# Allegro board BeagleBone AI -64_PCB_V1.02_211119.brd

Outline 115.06 x 100.01 mm; copper layers: TOP, L2-GND, L3-SIGNAL, L4-GND, L5-SIGNAL, L6-GND, L7-PWR/GND, L8-PWR/GND, L9-PWR/GND, L10-SIGNAL, L11-GND, L12-SIGNAL, L13-GND, BOTTOM. Coordinates in mm from the lower left corner of the outline.
Outline path: 0,100.01 0,0 115.06,0 115.06,100.01 0,100.01

## Design rules (mm)
constraint set DEFAULT: min track width 0.165
net group B_HUB_USB1_DM_DN2: nets B_USB1_DN1_D_N B_USB1_DN1_D_P
net group B_USBA2_SS_RX: nets B_USB1_SSRX_DN1_N B_USB1_SSRX_DN1_P
net group B_USBA2_SS_TX: nets B_USB1_SSTX_DN1_N B_USB1_SSTX_DN1_P
net group C_DP0_AUX: nets C_DP0_AUX_N C_DP0_AUX_P
net group C_DP0_TX0: nets C_DP0_TX0_N C_DP0_TX0_P
net group C_DP0_TX1: nets C_DP0_TX1_N C_DP0_TX1_P
net group C_DP0_TX2: nets C_DP0_TX2_N C_DP0_TX2_P
net group C_DP0_TX3: nets C_DP0_TX3_N C_DP0_TX3_P
net group C_PCIE1_TX0_N: nets C_PCIE1_TX0_N PCIE1_TX0_N
net group C_PCIE1_TX0_P: nets C_PCIE1_TX0_P PCIE1_TX0_P
net group C_PCIE1_TX1_N: nets C_PCIE1_TX1_N PCIE1_TX1_N
net group C_PCIE1_TX1_P: nets C_PCIE1_TX1_P PCIE1_TX1_P
net group C_USB1_SSTX_DN1_N: nets C_USB1_SSTX_DN1_N USB1_SSTX_DN1_N
net group C_USB1_SSTX_DN1_P: nets C_USB1_SSTX_DN1_P USB1_SSTX_DN1_P
net group C_USB1_SSTX_DN2_N: nets C_USB1_SSTX_DN2_N USB1_SSTX_DN2_N
net group C_USB1_SSTX_DN2_P: nets C_USB1_SSTX_DN2_P USB1_SSTX_DN2_P
net group C_USB_SS_TX1_N: nets C_USB_SS_TX1_N C_USB_SS_TX1_P
net group C_USB_SS_TX2: nets C_USB_SS_TX2_N C_USB_SS_TX2_P
net group C_USBA1_SS_TX: nets C_USBA_SS_TX_N C_USBA_SS_TX_P
net group C_USBA_SSRX_UP_N: nets C_USBA_SSRX_UP_N USBA_SS_RX_N
net group C_USBA_SSRX_UP_P: nets C_USBA_SSRX_UP_P USBA_SS_RX_P
net group CSI0_RX2: nets CSI0_RX2_N CSI0_RX2_P
net group CSI0_RX3: nets CSI0_RX3_N CSI0_RX3_P
net group DP0_AUX: nets DP0_AUX_N DP0_AUX_P
net group DP0_TX0: nets DP0_TX0_N DP0_TX0_P
net group DP0_TX1: nets DP0_TX1_N DP0_TX1_P
net group DP0_TX2: nets DP0_TX2_N DP0_TX2_P
net group DP0_TX3: nets DP0_TX3_N DP0_TX3_P
net group DP_CON_DP0_AUX: nets CON_DP0_AUX_N CON_DP0_AUX_P
net group DP_CON_DP0_TX0: nets CON_DP0_TX0_N CON_DP0_TX0_P
net group DP_CON_DP0_TX1: nets CON_DP0_TX1_N CON_DP0_TX1_P
net group DP_CON_DP0_TX2: nets CON_DP0_TX2_N CON_DP0_TX2_P
net group DP_CON_DP0_TX3: nets CON_DP0_TX3_N CON_DP0_TX3_P
net group EMMC_CLK: nets EMMC_CLK MMC0_CLK
net group EMMC_CMD: nets EMMC_CMD MMC0_CMD
net group EMMC_DAT0: nets EMMC_DAT0 MMC0_DAT0
net group EMMC_DAT1: nets EMMC_DAT1 MMC0_DAT1
net group EMMC_DAT2: nets EMMC_DAT2 MMC0_DAT2
net group EMMC_DAT3: nets EMMC_DAT3 MMC0_DAT3
net group EMMC_DAT4: nets EMMC_DAT4 MMC0_DAT4
net group EMMC_DAT5: nets EMMC_DAT5 MMC0_DAT5
net group EMMC_DAT6: nets EMMC_DAT6 MMC0_DAT6
net group EMMC_DAT7: nets EMMC_DAT7 MMC0_DAT7
net group EXP_HUB_USB1_DM_DN4: nets EXP_USB1_DN4_D_N EXP_USB1_DN4_D_P
net group M2_HUB_USB1_DP_DN3: nets M2_USB1_DN3_D_N M2_USB1_DN3_D_P
net group MCU_RGMII_RD0: nets MCU_RGMII_RD0 RX_D0
net group MCU_RGMII_RD1: nets MCU_RGMII_RD1 RX_D1
net group MCU_RGMII_RD2: nets MCU_RGMII_RD2 RX_D2
net group MCU_RGMII_RD3: nets MCU_RGMII_RD3 RX_D3
net group MCU_RGMII_RX_CTL: nets MCU_RGMII_RX_CTL RX_CTRL
net group MCU_RGMII_RXC: nets MCU_RGMII_RXC RX_CLK
net group MMC1_CLK: nets MMC1_CLK SD_CLK
net group MMC1_DAT0: nets MMC1_DAT0 SD_DAT0
net group MMC1_DAT1: nets MMC1_DAT1 SD_DAT1
net group MMC1_DAT2: nets MMC1_DAT2 SD_DAT2
net group MMC1_DAT3: nets MMC1_DAT3 SD_DAT3
net group MMC2_CLK: nets MMC2_CLK MMC2_CLK_R
net group PCIE1_REFCLK: nets PCIE1_REFCLK_N PCIE1_REFCLK_P
net group PCIE1_RX0: nets PCIE1_RX0_N PCIE1_RX0_P
net group PCIE1_RX1: nets PCIE1_RX1_N PCIE1_RX1_P
net group PHY_CLK_OUT_TP: nets PHY_CLK_OUT PHY_CLK_OUT_TP
net group PHY_GPIO0_TP: nets PHY_GPIO0 PHY_GPIO0_TP
net group PHY_GPIO1_TP: nets PHY_GPIO1 PHY_GPIO1_TP
net group PHY_LED0_TP: nets PHY_LED0 PHY_LED0_TP
net group PHY_LED1_TP: nets PHY_LED1 PHY_LED1_TP
net group PHY_LED2_TP: nets PHY_LED2 PHY_LED2_TP
net group PHY_TD_A: nets PHY_TD_A_M PHY_TD_A_P
net group PHY_TD_B: nets PHY_TD_B_M PHY_TD_B_P
net group PHY_TD_C: nets PHY_TD_C_M PHY_TD_C_P
net group PHY_TD_D: nets PHY_TD_D_M PHY_TD_D_P
net group SOC_SERDES1_REFCLK: nets SOC_SERDES1_REFCLK_N SOC_SERDES1_REFCLK_P
net group T_HUB_USB1_DM_DN1: nets T_USB1_DN2_D_N T_USB1_DN2_D_P
net group T_USBA1_SS_RX: nets T_USB1_SSRX_DN2_N T_USB1_SSRX_DN2_P
net group T_USBA1_SS_TX: nets T_USB1_SSTX_DN2_N T_USB1_SSTX_DN2_P
net group TX_CLK: nets MCU_RGMII_TXC TX_CLK
net group TX_CTRL: nets MCU_RGMII_TX_CTL TX_CTRL
net group TX_D0: nets MCU_RGMII_TD0 TX_D0
net group TX_D1: nets MCU_RGMII_TD1 TX_D1
net group TX_D2: nets MCU_RGMII_TD2 TX_D2
net group TX_D3: nets MCU_RGMII_TD3 TX_D3
net group USB0_DATA: nets USB0_DATA_N USB0_DATA_P
net group USB1_DN1_D_P: nets USB1_DN1_D_N USB1_DN1_D_P
net group USB1_DN2_D_N: nets USB1_DN2_D_N USB1_DN2_D_P
net group USB1_DN3_D_N: nets USB1_DN3_D_N USB1_DN3_D_P
net group USB1_DN4_D_N: nets USB1_DN4_D_N USB1_DN4_D_P
net group USB1_HUB_D: nets USB1_HUB_D_N USB1_HUB_D_P
net group USB1_SSRX_DN1_P: nets USB1_SSRX_DN1_N USB1_SSRX_DN1_P
net group USB1_SSRX_DN2_P: nets USB1_SSRX_DN2_N USB1_SSRX_DN2_P
net group USBA_SS_TX_P: nets USBA_SS_TX_N USBA_SS_TX_P
net group USBC_DATA_CONN_P: nets USBC_DATA_CONN_N USBC_DATA_CONN_P
net group USBC_SS_RX1_CONN_N: nets USBC_SS_RX1_CONN_N USBC_SS_RX1_CONN_P
net group USBC_SS_RX1_N: nets USBC_SS_RX1_N USBC_SS_RX1_P
net group USBC_SS_RX2: nets USBC_SS_RX2_N USBC_SS_RX2_P
net group USBC_SS_RX2_CONN_N: nets USBC_SS_RX2_CONN_N USBC_SS_RX2_CONN_P
net group USBC_SS_TX1_CONN_P: nets USBC_SS_TX1_CONN_N USBC_SS_TX1_CONN_P
net group USBC_SS_TX1_N: nets USBC_SS_TX1_N USBC_SS_TX1_P
net group USBC_SS_TX2: nets USBC_SS_TX2_N USBC_SS_TX2_P
net group USBC_SS_TX2_CONN_P: nets USBC_SS_TX2_CONN_N USBC_SS_TX2_CONN_P
net group CSI0_RX(SOC-MUX): nets CSI0_RX0_N CSI0_RX0_P CSI0_RX1_N CSI0_RX1_P CSI0_RXCLK_N CSI0_RXCLK_P
net group CSI1_RX: nets CSI1_RX0_N CSI1_RX0_P CSI1_RX1_N CSI1_RX1_P CSI1_RX2_N CSI1_RX2_P CSI1_RX3_N CSI1_RX3_P CSI1_RXCLK_N CSI1_RXCLK_P
net group DDR_ADD: nets LPDDR4_CA2 LPDDR4_CA3 LPDDR4_CA4 LPDDR4_CA5 LPDDR4_CK_T LPDDR4_CKE1 LPDDR4_CSN0_0 LPDDR4_CSN0_1 LPDDR4_CSN1_0 LPDDR4_CSN1_1
net group DDR_DATA0: nets LPDDR4_DM0_DBI0# LPDDR4_DQ0 LPDDR4_DQ1 LPDDR4_DQ2 LPDDR4_DQ3 LPDDR4_DQ4 LPDDR4_DQ5 LPDDR4_DQ6 LPDDR4_DQ7 LPDDR4_DQS0_N LPDDR4_DQS0_P
net group DDR_DATA1: nets LPDDR4_DM1_DBI1# LPDDR4_DQ8 LPDDR4_DQ9 LPDDR4_DQ10 LPDDR4_DQ11 LPDDR4_DQ12 LPDDR4_DQ13 LPDDR4_DQ14 LPDDR4_DQ15 LPDDR4_DQS1_N LPDDR4_DQS1_P
net group DDR_DATA2: nets LPDDR4_DM2_DBI2# LPDDR4_DQ16 LPDDR4_DQ17 LPDDR4_DQ18 LPDDR4_DQ19 LPDDR4_DQ20 LPDDR4_DQ21 LPDDR4_DQ22 LPDDR4_DQ23 LPDDR4_DQS2_N LPDDR4_DQS2_P
net group DDR_DATA3: nets LPDDR4_DM3_DBI3# LPDDR4_DQ24 LPDDR4_DQ25 LPDDR4_DQ26 LPDDR4_DQ27 LPDDR4_DQ28 LPDDR4_DQ29 LPDDR4_DQ30 LPDDR4_DQ31 LPDDR4_DQS3_N LPDDR4_DQS3_P
net group DSI_TX: nets DSI_TX0_N DSI_TX0_P DSI_TX1_N DSI_TX1_P DSI_TX2_N DSI_TX2_P DSI_TX3_N DSI_TX3_P DSI_TXCLK_N DSI_TXCLK_P
net group MG1_LCD: nets Y25_SYS_BOOTMODE3

## Placement (name value [footprint] x y rotation side)
C1  47uF  [C1206]  51.31 55.44 90 bottom
C2  10uF  [C0805]  49 54.75 90 bottom
C3  47uF  [C1206]  48.93 27.16 90 bottom
C4  100nF  [C0201]  -14.4 24.64 90 top
C5  10uF  [C0805]  46.79 26.76 90 bottom
C6  1nF  [C1206]  46.2 -0.09 90 bottom
C7  100nF  [C0201]  46.01 56.15 180 bottom
C8  100uF  [C1210]  45.11 13.56 0 bottom
C9  47uF  [C1206]  44.73 45.33 180 bottom
C10  47uF  [C1206]  44.51 62.36 180 bottom
C11  100nF  [C0402]  44.28 10.61 90 bottom
C12  10uF  [C0805]  44.1 47.5 180 bottom
C13  10uF  [C0805]  43.83 60.15 180 bottom
C14  47uF  [C1206]  43.56 34.23 180 bottom
C15  2.2uF  [C0603]  43.21 56.99 270 bottom
C16  47uF  [C1206]  42.85 17.26 180 bottom
C17  10uF  [C0805]  42.08 19.51 180 bottom
C18  10uF  [C0805]  41.68 32.11 180 bottom
C19  1uF  [C0402]  41.48 14.38 90 bottom
C20  2.2uF  [C0603]  41.11 28.86 270 bottom
C21  10uF  [C0805]  46.06 5.13 270 bottom
C22  10uF  [C0805]  40.26 47.46 0 bottom
C23  10uF  [C0805]  40.19 60.15 0 bottom
C24  47uF  [C1206]  39.66 45.32 0 bottom
C25  2.2uF  [C0603]  39.43 56.51 0 bottom
C26  2.2uF  [C0603]  39.43 54.34 0 bottom
C27  2.2uF  [C0603]  39.43 52.88 0 bottom
C28  2.2uF  [C0603]  39.43 51.45 0 bottom
C29  2.2uF  [C0603]  39.43 49.96 0 bottom
C30  47uF  [C1206]  39.4 62.3 0 bottom
C31  100nF  [C0201]  39.35 55.43 0 bottom
C32  47uF  [C1206]  38.34 34.3 0 bottom
C33  10uF  [C0805]  38.16 19.53 0 bottom
C34  10uF  [C0805]  38.12 32.11 0 bottom
C35  47uF  [C1206]  37.79 17.3 0 bottom
C36  100nF  [C0402]  37.62 10.69 90 bottom
C37  22uF  [C0805]  36.97 39.99 90 bottom
C38  100nF  [C0201]  36.91 24.52 0 bottom
C39  2.2uF  [C0603]  36.89 28.66 0 bottom
C40  2.2uF  [C0603]  36.89 27.18 0 bottom
C41  2.2uF  [C0603]  36.89 25.66 0 bottom
C42  2.2uF  [C0603]  36.89 23.32 0 bottom
C43  2.2uF  [C0603]  36.89 21.82 0 bottom
C44  100uF  [C1210]  35.57 13.51 180 bottom
C45  22uF  [C0805]  33.33 40.95 270 bottom
C46  47uF  [C1206]  31.6 17.5 90 bottom
C47  22uF  [C0805]  31.25 40.95 270 bottom
C48  100nF  [C0201]  30.19 61.45 90 bottom
C49  10nF  [C0201]  29.6 42.6 270 bottom
C50  10nF  [C0201]  29.55 44.48 270 bottom
C51  100nF  [C0201]  29.41 61.46 270 bottom
C52  10uF  [C0805]  29.31 50.74 90 bottom
C53  10uF  [C0805]  29.3 47.04 270 bottom
C54  100nF  [C0201]  29.07 40.98 90 bottom
C55  10nF  [C0201]  29.02 38.23 270 bottom
C56  10nF  [C0201]  28.66 44.48 270 bottom
C57  10nF  [C0201]  27.71 49.37 90 bottom
C58  10nF  [C0201]  27.65 46.77 270 bottom
C59  10nF  [C0201]  27.65 41.05 90 bottom
C60  10nF  [C0201]  27.65 38.51 270 bottom
C61  10nF  [C0201]  27.39 35.72 180 bottom
C62  47uF  [C1206]  26.44 56.46 90 bottom
C63  100nF  [C0201]  26.16 63.66 0 bottom
C64  100nF  [C0201]  26.12 53.5 180 bottom
C65  10nF  [C0201]  26.12 51.98 180 bottom
C66  1uF  [C0402]  26.08 64.51 0 bottom
C67  100nF  [C0201]  25.63 60.1 270 bottom
C68  2.2uF  [C0603]  25.37 62.44 0 bottom
C69  10nF  [C0201]  24.85 36.61 0 bottom
C70  10nF  [C0201]  24.72 34.45 180 bottom
C71  47uF  [C1206]  24.21 56.45 90 bottom
C72  100nF  [C0201]  24.01 61.27 180 bottom
C73  10nF  [C0201]  23.58 51.98 180 bottom
C74  47uF  [C1206]  23.43 31.25 0 bottom
C75  47uF  [C1206]  23.43 28.9 0 bottom
C76  100nF  [C0201]  23.09 59.77 90 bottom
C77  10nF  [C0201]  22.95 53.5 180 bottom
C78  100nF  [C0201]  22.33 59.77 90 bottom
C79  10nF  [C0201]  22.31 34.45 180 bottom
C80  47uF  [C1206]  21.98 56.46 90 bottom
C81  100nF  [C0201]  21.6 62.54 90 bottom
C82  10nF  [C0201]  20.79 51.98 0 bottom
C83  100nF  [C0201]  20.58 61.23 0 bottom
C84  100nF  [C0201]  20.32 62.58 90 bottom
C85  10nF  [C0201]  20.15 34.45 180 bottom
C86  10uF  [EMIFIL_0805_3P]  19.87 30.23 270 bottom
C87  22uF  [C0805]  19.86 59.14 90 bottom
C88  0.015uF  [C0402]  19.83 8.57 180 bottom
C89  10nF  [C0201]  19.77 53.5 180 bottom
C90  10nF  [C0201]  19.64 35.85 180 bottom
C91  330pF  [C0402]  19.33 9.97 270 bottom
C92  100nF  [C0402]  19.32 17.57 0 bottom
C93  2.2uF  [C0603]  18.65 62.35 90 bottom
C94  1uF  [C0402]  18.35 59.08 90 bottom
C95  10uF  [EMIFIL_0805_3P]  17.96 30.23 270 bottom
C96  120nF  [C0603]  17.93 9.84 270 bottom
C97  10nF  [C0201]  17.87 34.45 180 bottom
C98  10nF  [C0201]  17.61 53.5 180 bottom
C99  10nF  [C0201]  16.47 47.15 270 bottom
C100  10nF  [C0201]  16.47 39.4 270 bottom
C101  220nF  [C0201]  16.45 10.17 270 bottom
C102  470nF  [C0402]  16.44 30.58 270 bottom
C103  10nF  [C0201]  16.34 42.2 270 bottom
C104  470nF  [C0402]  15.44 30.61 270 bottom
C105  47uF  [C1206]  15.09 60.62 0 bottom
C106  100nF  [C0201]  15.05 12.61 90 bottom
C107  470nF  [C0402]  13.93 30.58 270 bottom
C108  1uF  [EMIFIL_0402_3P]  12.61 30.55 270 bottom
C109  22uF  [C0805]  8.82 29.3 0 bottom
C110  1uF  [EMIFIL_0402_3P]  8.4 56.32 270 bottom
C111  100nF  [C0201]  -6.02 35.33 180 bottom
C112  1uF  [C0402]  8.24 30.87 0 bottom
C113  4.7uF  [C0603]  7.64 62.91 0 bottom
C114  1uF  [C0402]  7.51 61.64 0 bottom
C115  100nF  [C0201]  6.01 38.46 90 bottom
C116  100nF  [C0201]  5.93 48.61 270 bottom
C117  1uF  [EMIFIL_0402_3P]  5.89 32.63 270 bottom
C118  100nF  [C0201]  4.22 65.54 90 bottom
C119  220nF  [C0201]  3.74 34.31 270 bottom
C120  22uF  [C0805]  3.05 30.3 180 bottom
C121  220nF  [C0201]  2.98 34.31 270 bottom
C122  100nF  [C0201]  2.78 65.36 90 bottom
C123  100nF  [C0201]  2.65 32.87 0 bottom
C124  1uF  [C0402]  2.32 31.88 180 bottom
C125  220nF  [C0201]  2.17 35.59 270 bottom
C126  220nF  [C0201]  1.41 35.59 270 bottom
C127  100nF  [C0201]  0.98 43.98 180 bottom
C128  100nF  [C0201]  0.98 43.21 0 bottom
C129  220nF  [C0201]  0.9 34.23 270 bottom
C130  100nF  [C0201]  0.85 48.8 180 bottom
C131  100nF  [C0201]  0.85 46.39 0 bottom
C132  220nF  [C0201]  0.49 61.98 90 bottom
C133  100nF  [C0201]  0.47 49.82 90 bottom
C134  100nF  [C0201]  0.47 47.53 270 bottom
C135  220nF  [C0201]  0.14 34.23 270 bottom
C136  1uF  [C0402]  0.11 51.57 135 bottom
C137  100nF  [C0201]  0.09 55.15 180 bottom
C138  100nF  [C0201]  0.09 54.39 0 bottom
C139  100nF  [C0201]  0.09 45.63 0 bottom
C140  100nF  [C0201]  0.09 44.74 180 bottom
C141  100nF  [C0201]  0.09 42.32 0 bottom
C142  150uF  [AVX_C]  -0.16 11.64 90 bottom
C143  220nF  [C0201]  -0.27 61.98 90 bottom
C144  100nF  [C0201]  -0.28 53.16 90 bottom
C145  100nF  [C0201]  -0.29 48.42 270 bottom
C146  100nF  [C0201]  -0.29 46.77 270 bottom
C147  100nF  [C0201]  -0.29 43.59 270 bottom
C148  22uF  [C0805]  -0.42 31.81 0 bottom
C149  4.7uF  [C0603]  -0.58 64.52 90 bottom
C150  100nF  [C0201]  -0.68 49.56 0 bottom
C151  220nF  [C0201]  -0.88 35.59 270 bottom
C152  100nF  [C0201]  -1.02 48.38 90 bottom
C153  1uF  [C0402]  -1.03 33.26 0 bottom
C154  100nF  [C0201]  -1.06 53.93 90 bottom
C155  100nF  [C0201]  -1.06 52.36 90 bottom
C156  100nF  [C0201]  -1.37 47.38 135 bottom
C157  100nF  [C0201]  0.99 7.27 0 bottom
C158  100nF  [C0201]  -1.44 45.63 0 bottom
C159  100nF  [C0201]  -1.44 43.98 0 bottom
C160  100nF  [C0201]  -1.44 43.19 180 bottom
C161  100nF  [C0201]  -1.46 55.98 180 bottom
C162  100nF  [C0201]  -1.49 51.16 0 bottom
C163  100nF  [C0201]  -1.56 44.74 180 bottom
C164  220nF  [C0201]  -1.57 35.59 270 bottom
C165  100nF  [C0201]  -1.82 53.12 90 bottom
C166  100nF  [C0201]  -1.84 48.37 270 bottom
C167  100nF  [C0201]  -2.33 51.98 0 bottom
C168  100nF  [C0201]  -2.33 49.11 45 bottom
C169  1uF  [EMIFIL_0402_3P]  -2.38 50.2 225 bottom
C170  100nF  [C0201]  -2.43 54.64 225 bottom
C171  100nF  [C0201]  -2.62 45.9 90 bottom
C172  100nF  [C0201]  -2.68 53.22 270 bottom
C173  100nF  [C0201]  -2.69 43.6 90 bottom
C174  220nF  [C0201]  -2.76 36.14 270 bottom
C175  100nF  [C0201]  -2.94 50.88 225 bottom
C176  100nF  [C0201]  -3.04 47.18 180 bottom
C177  220nF  [C0201]  -3.06 61.8 90 bottom
C178  100nF  [C0201]  -3.09 44.74 180 bottom
C179  100nF  [C0201]  -3.1 42.36 0 bottom
C180  100nF  [C0201]  -3.48 48.41 270 bottom
C181  100nF  [C0201]  -3.48 43.58 270 bottom
C182  100nF  [C0201]  -3.49 45.87 90 bottom
C183  100nF  [C0201]  -3.49 54.01 270 bottom
C184  100nF  [C0201]  -3.52 49.89 90 bottom
C185  220nF  [C0201]  -3.52 36.14 270 bottom
C186  4.7uF  [C0603]  -3.71 32.96 0 bottom
C187  100nF  [C0201]  -3.79 52.78 180 bottom
C188  220nF  [C0201]  -3.83 61.8 90 bottom
C189  100nF  [C0201]  -3.84 51.97 0 bottom
C190  100nF  [C0201]  -3.85 55.96 180 bottom
C191  1uF  [C0402]  -4.21 34.3 0 bottom
C192  100nF  [C0201]  -4.28 46.77 270 bottom
C193  100nF  [C0201]  -4.29 54.79 270 bottom
C194  100nF  [C0201]  -4.32 43.57 90 bottom
C195  1uF  [EMIFIL_0402_3P]  -4.43 50.22 270 bottom
C196  100nF  [C0201]  -4.61 48.8 0 bottom
C197  100nF  [C0201]  -4.61 48.04 180 bottom
C198  100nF  [C0201]  -4.61 44.74 180 bottom
C199  100nF  [C0201]  -4.69 45.58 0 bottom
C200  1uF  [C0402]  -4.92 66.32 0 bottom
C201  100nF  [C0201]  -5.08 41.94 270 bottom
C202  100nF  [C0201]  -5.08 52.79 0 bottom
C203  100nF  [C0201]  -5.09 46.77 270 bottom
C204  100nF  [C0201]  -5.53 49.97 90 bottom
C205  100nF  [C0201]  -5.83 56.33 90 bottom
C206  100nF  [C0201]  -5.85 54.81 270 bottom
C207  1uF  [EMIFIL_0402_3P]  -6.39 51.45 135 bottom
C208  100nF  [C0201]  -6.47 52.61 315 bottom
C209  100nF  [C0201]  -6.49 46.06 270 bottom
C210  100nF  [C0201]  -6.59 43.57 90 bottom
C211  4.7uF  [C0603]  -6.65 32.95 0 bottom
C212  100nF  [C0201]  -6.68 54.01 270 bottom
C213  1uF  [C0402]  -6.82 34.35 0 bottom
C214  100nF  [C0201]  -7.03 49.56 180 bottom
C215  100nF  [C0201]  -7.13 42.33 0 bottom
C216  100nF  [C0201]  -7.15 48.8 0 bottom
C217  100nF  [C0201]  -7.15 47.91 180 bottom
C218  100nF  [C0201]  -7.15 47.15 0 bottom
C219  1uF  [EMIFIL_0402_3P]  -7.23 45.04 135 bottom
C220  100nF  [C0201]  -7.49 52.38 90 bottom
C221  100nF  [C0201]  -7.53 54.77 270 bottom
C222  100nF  [C0201]  -7.85 42.94 0 bottom
C223  100nF  [C0201]  -7.89 46.39 0 bottom
C224  100nF  [C0201]  -7.91 55.91 0 bottom
C225  100nF  [C0201]  -7.91 51.16 180 bottom
C226  4.7uF  [C0603]  -8.27 65.36 90 bottom
C227  1uF  [C0402]  -8.61 43.85 0 bottom
C228  100nF  [C0201]  -8.68 55.15 0 bottom
C229  100nF  [C0201]  -8.68 54.39 180 bottom
C230  1uF  [C0402]  -8.68 53.51 0 bottom
C231  100nF  [C0201]  -8.68 49.56 180 bottom
C232  100nF  [C0201]  -8.68 48.8 0 bottom
C233  100nF  [C0201]  -8.68 47.91 180 bottom
C234  100nF  [C0201]  -8.68 47.15 0 bottom
C235  100nF  [C0201]  -8.68 45.5 0 bottom
C236  100nF  [C0201]  -8.68 44.74 180 bottom
C237  100nF  [C0201]  -8.7 42.2 0 bottom
C238  4.7uF  [C0603]  1.23 64.56 90 bottom
C239  100nF  [C0201]  -8.8 52.31 270 bottom
C240  1uF  [C0402]  -9.42 62.54 180 bottom
C241  100nF  [C0201]  -9.45 42.92 0 bottom
C242  100nF  [C0201]  -9.46 51.19 180 bottom
C243  1uF  [C0402]  -9.49 65.97 90 bottom
C244  100nF  [C0201]  -9.57 46.39 0 bottom
C245  100nF  [C0201]  -9.82 55.53 270 bottom
C246  100nF  [C0201]  -9.82 54.01 270 bottom
C247  100nF  [C0201]  -11.88 17.88 270 top
C248  1uF  [C0402]  -10.29 43.58 225 bottom
C249  100nF  [C0201]  -10.33 44.92 180 bottom
C250  1uF  [EMIFIL_0402_3P]  -19.06 30.83 270 bottom
C251  100nF  [C0201]  -10.33 45.63 0 bottom
C252  100nF  [C0201]  -10.33 52.78 180 bottom
C253  100nF  [C0201]  -10.48 51.37 45 bottom
C254  4.7uF  [C0603]  -10.79 65.13 90 bottom
C255  100nF  [C0201]  -10.96 46.39 0 bottom
C256  1uF  [C0402]  -11.09 55.15 0 bottom
C257  100nF  [C0201]  -11.11 44.23 180 bottom
C258  100nF  [C0201]  -11.14 48.45 315 bottom
C259  100nF  [C0201]  -11.27 42.93 315 bottom
C260  100nF  [C0201]  -11.47 45.17 90 bottom
C261  100nF  [C0201]  -11.51 62.78 90 bottom
C262  1uF  [C0402]  -11.55 53.17 90 bottom
C263  1uF  [C0402]  -11.88 49.17 45 bottom
C264  100nF  [C0201]  -11.88 46.9 0 bottom
C265  100nF  [C0201]  -11.9 43.57 45 bottom
C266  1uF  [C0402]  -11.9 51.57 315 bottom
C267  100nF  [C0201]  -12 46.13 315 bottom
C268  100nF  [C0201]  -12.13 47.79 315 bottom
C269  100nF  [C0201]  -12.27 62.78 90 bottom
C270  100nF  [C0201]  -12.28 44.36 90 bottom
C271  1uF  [C0402]  -12.36 54.77 90 bottom
C272  100nF  [C0201]  -12.74 45.63 180 bottom
C273  100nF  [C0201]  -12.86 50.38 270 bottom
C274  100nF  [C0201]  -13.04 62.78 90 bottom
C275  1uF  [C0402]  -13.1 44.36 270 bottom
C276  22uF  [C0805]  -13.26 65.63 180 bottom
C277  100nF  [C0201]  -13.41 46.37 180 bottom
C278  10uF  [C0805]  -17.04 65.79 180 bottom
C279  100nF  [C0201]  -22.65 48.7 180 bottom
C280  1uF  [EMIFIL_0402_3P]  -22.75 49.97 180 bottom
C281  1uF  [C0402]  -24.12 39.23 180 bottom
C282  1uF  [C0402]  -24.26 41.65 180 bottom
C283  4.7uF  [C0603]  -24.33 37.96 180 bottom
C284  4.7uF  [C0603]  -24.34 40.45 180 bottom
C285  4.7uF  [C0603]  -24.38 36.5 180 bottom
C286  100nF  [C0201]  -24.83 43.24 90 bottom
C287  1uF  [C0402]  -27.55 29.14 90 bottom
C288  100nF  [C0201]  -27.81 32.18 180 bottom
C289  100nF  [C0201]  -27.81 31.42 180 bottom
C290  1uF  [C0402]  -27.97 33.15 180 bottom
C291  1uF  [C0402]  -28.07 30.55 180 bottom
C292  100nF  [C0201]  -28.44 29.01 90 bottom
C293  1uF  [C0402]  -29.33 34.72 270 bottom
C294  1uF  [C0402]  -29.84 29.14 90 bottom
C295  100nF  [C0201]  -30.22 34.98 270 bottom
C296  100nF  [C0201]  -30.43 55.47 270 bottom
C297  100nF  [C0201]  -30.73 29.01 90 bottom
C298  100nF  [C0201]  -30.98 34.98 270 bottom
C299  1uF  [C0402]  -31.87 34.72 270 bottom
C300  22uF  [C0805]  -33.17 49.81 180 bottom
C301  22uF  [C0805]  -33.17 55.85 180 bottom
C302  100nF  [C0201]  -33.68 60.59 90 bottom
C303  1uF  [C0402]  -33.92 32.85 0 bottom
C304  1uF  [C0402]  -33.92 29.91 0 bottom
C305  1uF  [C0402]  -33.94 34.59 0 bottom
C306  100nF  [C0201]  -34.12 31.98 0 bottom
C307  100nF  [C0201]  -34.14 33.72 0 bottom
C308  100nF  [C0201]  -34.17 30.74 0 bottom
C309  100nF  [C0201]  -36.3 45.45 180 bottom
C310  100nF  [C0201]  -37.59 50.06 180 bottom
C311  10nF  [C0201]  -38.35 32.74 180 bottom
C312  10uF  [C0805]  -38.63 31.32 180 bottom
C313  100nF  [C0201]  -40.84 49.58 90 bottom
C314  1uF  [C0402]  -19.93 14.96 270 bottom
C315  10uF  [C0805]  -23.22 18.98 270 top
C316  100nF  [C0201]  -36.55 38.39 270 top
C317  100nF  [C0201]  -35.17 47.17 270 top
C318  100nF  [C0201]  -34.85 45.32 0 top
C319  100nF  [C0201]  -34.48 41.28 180 top
C320  100nF  [C0201]  -33.56 45.32 180 top
C321  27pF  [C0402]  -31.87 26.45 0 top
C322  27pF  [C0402]  -31.09 21.77 0 top
C323  100nF  [C0201]  -3.03 30.18 90 top
C324  100nF  [C0201]  -0.54 16.54 270 top
C325  12pF  [C0402]  -27.12 44.48 180 top
C326  10uF  [C0805]  -27.07 24.26 180 top
C327  10nF  [C0201]  -26.94 25.66 180 top
C328  10pF  [C0402]  -26.59 49.33 180 top
C329  4.7uF  [C0603]  -24.34 40.45 180 top
C330  4.7uF  [C0603]  -24.33 37.96 180 top
C331  1uF  [C0402]  -24.22 41.67 180 top
C332  1uF  [C0402]  -24.12 39.23 180 top
C333  1uF  [C0402]  -24.12 36.71 180 top
C334  10pF  [C0402]  -23.88 51.69 90 top
C335  12pF  [C0402]  -23.83 47.58 90 top
C336  10uF  [C0805]  -21.86 24.26 180 top
C337  10nF  [C0201]  -21.6 25.67 180 top
C338  1uF  [EMIFIL_0402_3P]  -21.03 50.73 0 top
C339  10uF  [C0805]  9.09 23 0 top
C340  1uF  [EMIFIL_0402_3P]  -19.06 30.85 90 top
C341  10uF  [EMIFIL_0805_3P]  -19.06 28.56 90 top
C342  100nF  [C0201]  -20.8 14.94 270 bottom
C343  470nF  [C0402]  -18.89 32.85 270 top
C344  470nF  [C0402]  -17.94 32.85 270 top
C345  1uF  [EMIFIL_0402_3P]  -16.99 30.85 90 top
C346  470nF  [C0402]  -16.98 32.85 270 top
C347  1uF  [EMIFIL_0402_3P]  -16.94 28.48 90 top
C348  100nF  [C0201]  -15.09 68.69 0 top
C349  22uF  [C0805]  -13.82 32.87 0 top
C350  27pF  [C0402]  -13.7 18.52 90 top
C351  27pF  [C0402]  -13.66 20.63 270 top
C352  1uF  [C0402]  -13.06 65.31 180 top
C353  100nF  [C0201]  -13.04 62.78 90 top
C354  1uF  [C0402]  -12.94 34.39 0 top
C355  100nF  [C0201]  -12.74 24.9 180 top
C356  100nF  [C0201]  -13.69 24.64 90 top
C357  100nF  [C0201]  -12.74 21.82 180 top
C358  100nF  [C0201]  -12.57 17.89 270 top
C359  100nF  [C0201]  -12.27 62.78 90 top
C360  4.7uF  [C0603]  -11.53 66.52 180 top
C361  100nF  [C0201]  -11.51 62.78 90 top
C362  1uF  [C0402]  -11.17 65.31 180 top
C363  1uF  [C0402]  -10.84 34.39 180 top
C364  4.7uF  [C0603]  -10.57 32.7 180 top
C365  4.7uF  [C0603]  -9.65 62.61 180 top
C366  1uF  [C0402]  -9.49 65.97 90 top
C367  1uF  [EMIFIL_0402_3P]  -9.27 34.27 90 top
C368  220nF  [C0201]  -7.19 63.51 90 top
C369  22uF  [C0805]  -7.19 66.4 180 top
C370  1uF  [C0402]  -6.82 34.35 0 top
C371  100nF  [C0201]  -6.97 16.52 270 top
C372  4.7uF  [C0603]  -6.65 32.95 0 top
C373  220nF  [C0201]  -6.46 63.51 90 top
C374  1uF  [EMIFIL_0402_3P]  -6.26 31.29 90 top
C375  220nF  [C0201]  -5.69 63.51 90 top
C376  470nF  [C0402]  -5.28 31.26 270 top
C377  220nF  [C0201]  -4.92 63.51 90 top
C378  1uF  [C0402]  -4.21 34.3 0 top
C379  4.7uF  [C0603]  -3.71 32.96 0 top
C380  100nF  [C0201]  -5.79 16.52 270 top
C381  100nF  [C0201]  -2.37 30.18 90 top
C382  4.7uF  [C0603]  -2.2 64.48 180 top
C383  1uF  [C0402]  -1.9 63.2 180 top
C384  100nF  [C0201]  1 7.27 0 top
C385  100nF  [C0201]  -1.25 16.54 270 top
C386  1uF  [C0402]  -1.03 33.26 0 top
C387  22uF  [C0805]  -0.42 31.81 0 top
C388  150uF  [AVX_C]  -0.15 11.63 90 top
C389  4.7uF  [C0603]  0.83 64.43 180 top
C390  1uF  [C0402]  1.06 63.16 180 top
C391  470nF  [C0402]  1.82 29.99 0 top
C392  1uF  [EMIFIL_0402_3P]  1.85 33.28 0 top
C393  1uF  [EMIFIL_0402_3P]  1.91 28.91 180 top
C394  100nF  [C0201]  0.71 21.55 90 top
C395  470nF  [C0402]  2.78 63.76 90 top
C396  100nF  [C0201]  2.79 65.36 90 top
C397  100nF  [C0201]  0.87 26.29 0 top
C398  100nF  [C0201]  0.9 24.97 0 top
C399  1uF  [C0402]  2.99 27.03 270 top
C400  1uF  [C0402]  3.55 32.93 180 top
C401  4.7uF  [C0603]  3.62 31.28 180 top
C402  100nF  [C0201]  -2.97 16.54 270 top
C403  470nF  [C0402]  4.23 63.76 90 top
C404  470nF  [C0402]  4.24 65.58 90 top
C405  10uF  [C0805]  4.32 13.01 180 top
C406  100nF  [C0402]  -37.91 14.63 0 top
C407  10uF  [C0805]  3.39 21.29 90 top
C408  100nF  [C0201]  4.96 11.61 180 top
C409  100nF  [C0201]  5.07 26.02 180 top
C410  1uF  [EMIFIL_0402_3P]  5.57 65.8 270 top
C411  470nF  [C0402]  5.73 63.79 90 top
C412  1uF  [EMIFIL_0402_3P]  5.89 32.63 90 top
C413  1uF  [EMIFIL_0402_3P]  7.17 32.66 90 top
C414  100nF  [C0201]  5.1 21.32 180 top
C415  1uF  [EMIFIL_0402_3P]  7.45 63.53 90 top
C416  10uF  [EMIFIL_0805_3P]  7.77 65.57 180 top
C417  1uF  [EMIFIL_0402_3P]  8.21 35.47 180 top